# KiCad board ulx4m_panel.kicad_pcb (continued)
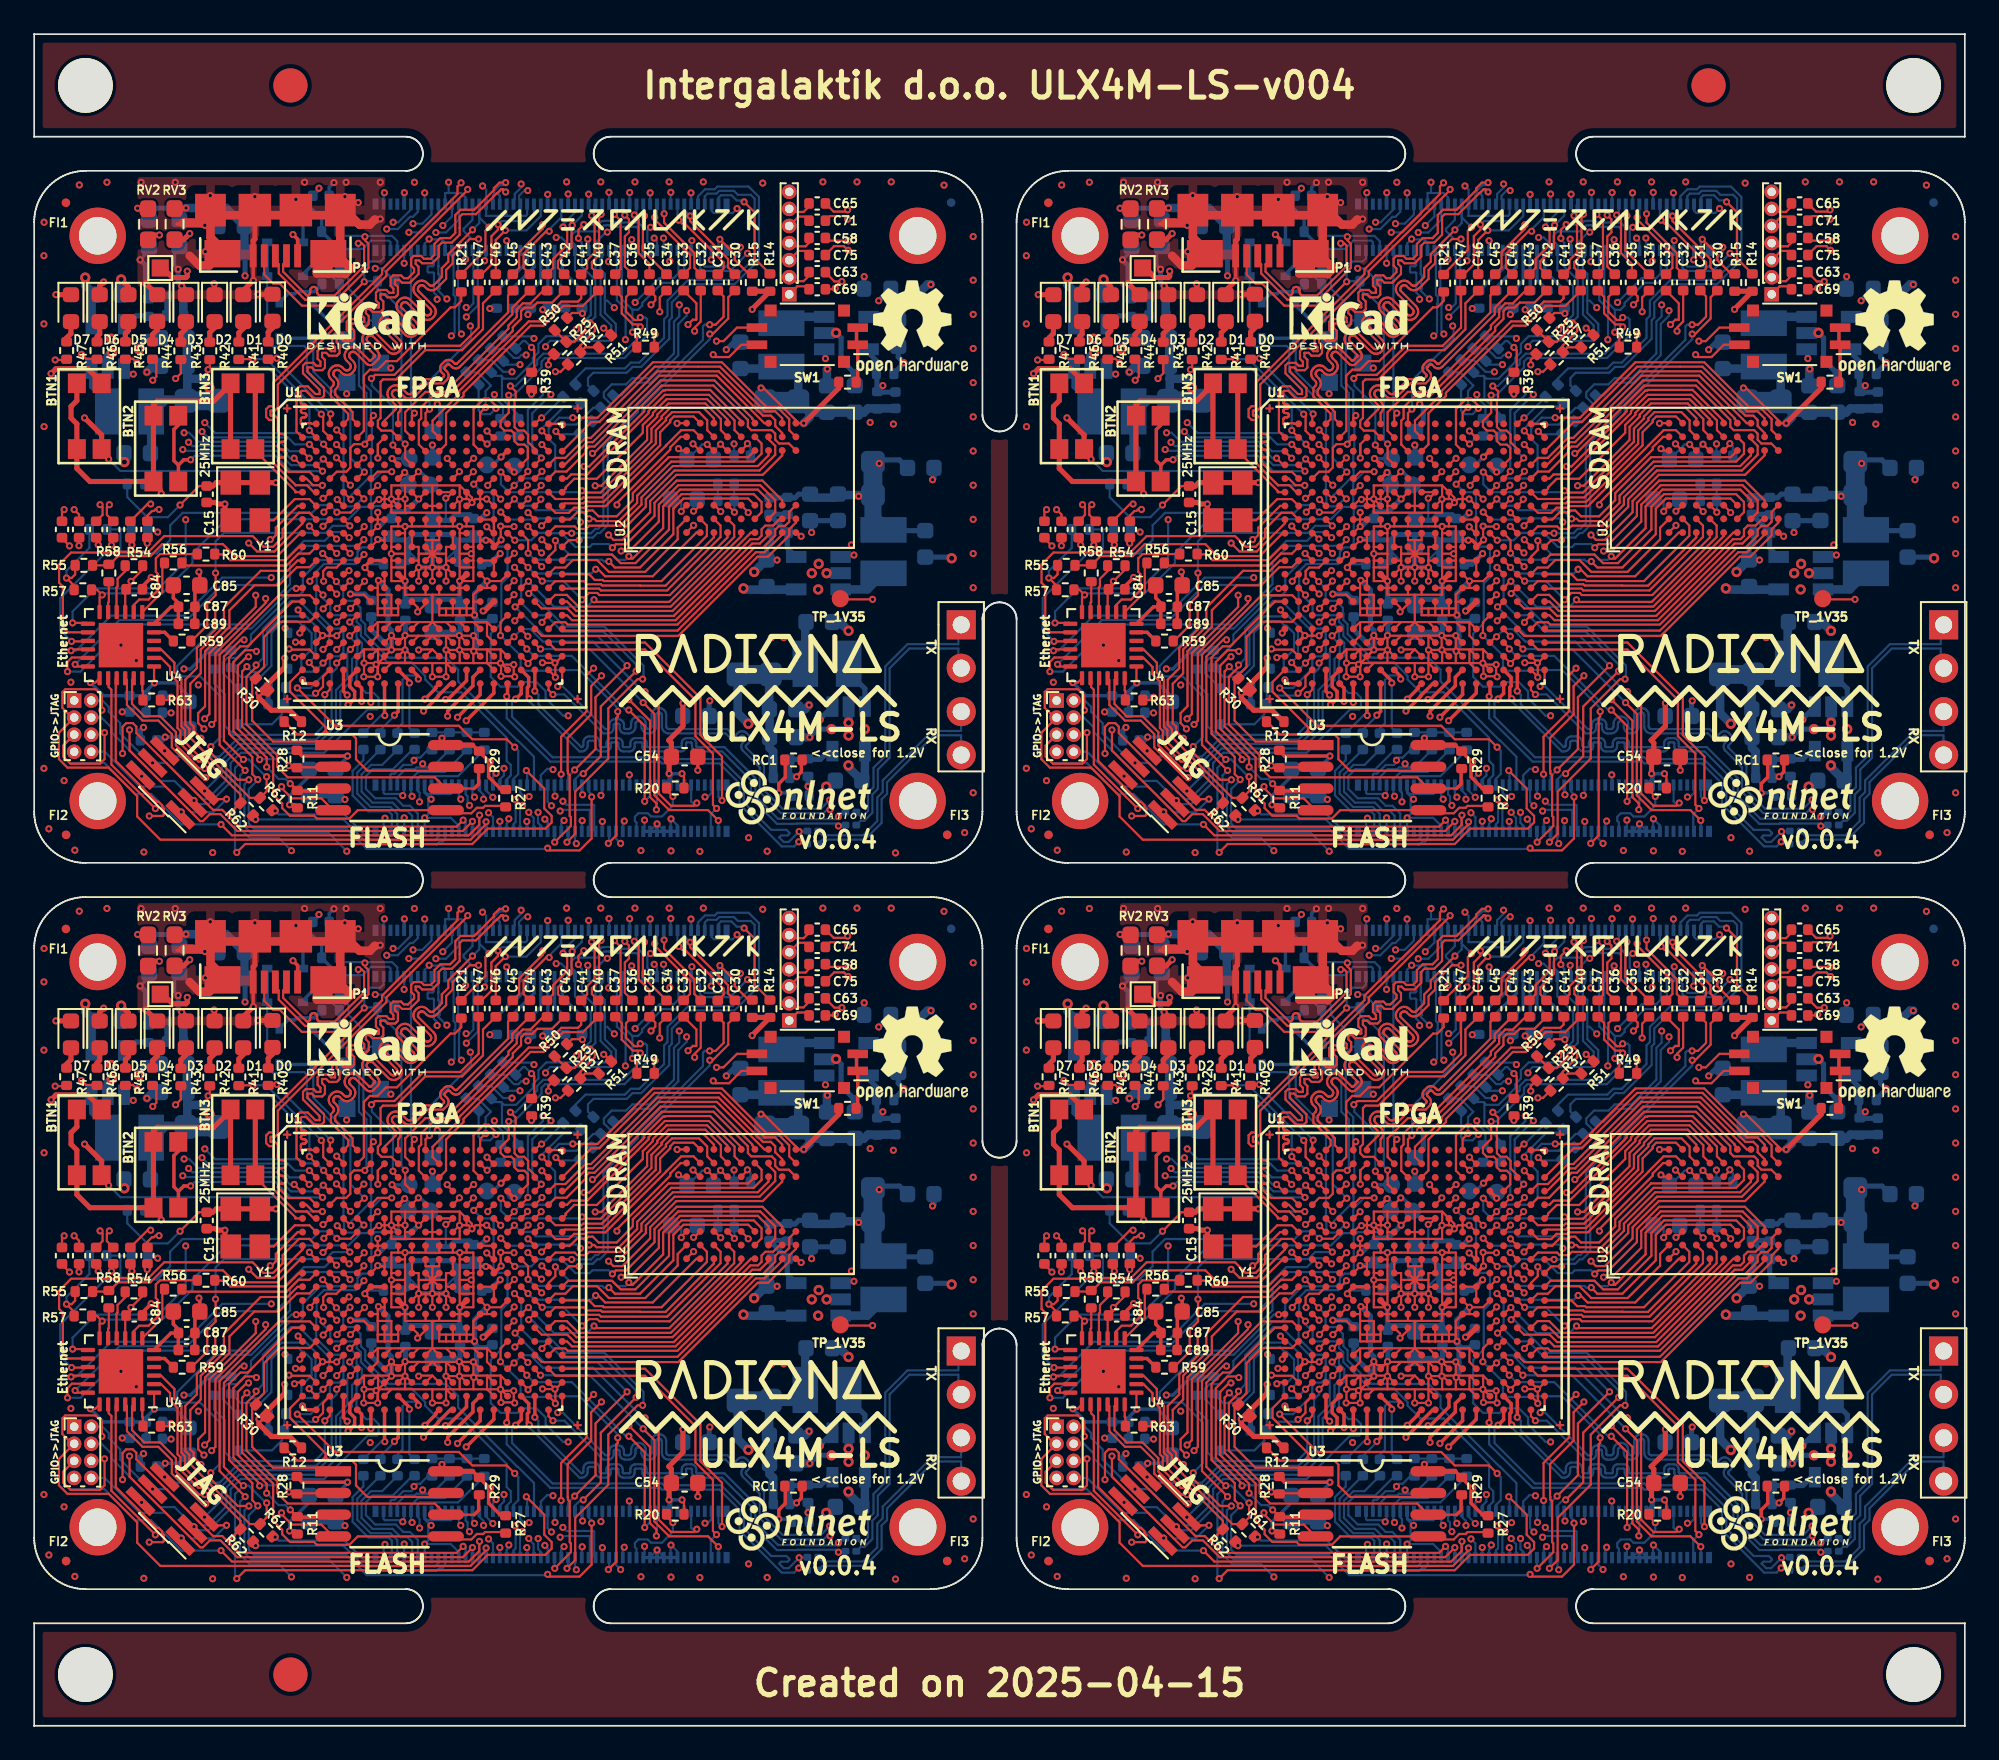
[diagram p0: board, top side]
## Routing (per net, layer and track width the routed paths; a pad name or vN(x,y) marks a point on that pad's centre or on a via; arc(x,y) is an arc through that point) (continued)
  Bottom w0.127: v1(78.53,88) 78.82,88 79.57,88.74 J2#3.10
Board_1-PCIe_nRST: length 10.3
  Top w0.127: U1#4.A9 79.62,76.68 v1(79.77,76.82)
  Bottom w0.127: J2#3.9 79.57,77.02 v1(79.77,76.82)
Board_1-PCIe_RX_N: length 35.2
  Top w0.127: C67.2 61.51,70.87 61.51,71.32 v1(61.37,71.47)
  In2signal.Cu w0.127: v1(61.37,71.47) 61.51,71.61 61.51,71.9 61.89,72.27 62.45,72.27 62.73,72 62.73,71.49 62.86,71.36 62.98,71.49 62.98,72.62 63.25,72.88 63.48,72.88 63.74,72.62 63.74,72.39 63.86,72.27 64.18,72.27 64.75,72.84 65.19,72.84 65.29,72.94 65.49,72.94 65.59,72.84 65.79,72.84 65.89,72.94 66.09,72.94 66.19,72.84 67.84,72.84 67.84,73.01 67.67,73.17 67.67,73.54 67.84,73.71 68.21,73.71 68.38,73.54 68.54,73.54 68.55,73.56 68.55,73.72 68.39,73.88 68.39,74.26 68.55,74.42 68.92,74.42 69.09,74.26 69.25,74.26 71.55,76.56 79.93,84.94 79.93,87.26 79.79,87.41 v1(79.44,87.41)
  Bottom w0.127: v1(79.44,87.41) 80.12,87.41 81.17,88.45 J2#3.18
Board_1-PCIe_RX_P: length 35.5
  Top w0.127: C61#2.1 61.77,70.87 61.77,71.32 v1(61.91,71.47)
  In2signal.Cu w0.127: v1(79.69,87.91) 80.19,87.41 80.19,85.34 80.31,85.21 80.62,85.21 80.75,85.09 80.62,84.96 80.31,84.96 69.44,74.09 69.36,74 68.98,74 68.82,74.17 68.66,74.17 68.64,74.15 68.64,73.99 68.8,73.82 68.8,73.45 68.64,73.29 68.27,73.29 68.11,73.45 67.94,73.45 67.93,73.44 67.93,73.27 68.09,73.11 68.09,72.74 67.94,72.59 65.63,72.59 65.43,72.39 65.33,72.39 65.13,72.59 64.85,72.59 64.28,72.02 63.75,72.02 63.49,72.28 63.49,72.51 63.38,72.63 63.35,72.63 63.24,72.51 63.24,71.38 62.96,71.11 62.75,71.11 62.47,71.38 62.47,71.89 62.35,72.02 61.99,72.02 61.77,71.79 61.77,71.61 v1(61.91,71.47)
  Bottom w0.127: J2#3.16 80.77,88.45 80.23,87.91 v1(79.69,87.91)
Board_1-PCIe_TX_N: length 34.9
  Top w0.127: v1(64.33,71.51) 64.15,71.51 C72.2
  In2signal.Cu w0.127: v1(64.33,71.51) 64.55,71.51 64.63,71.59 65.21,71.59 65.75,72.12 68.33,72.12 69.49,73.29 69.56,73.34 69.64,73.38 69.72,73.4 69.8,73.4 69.89,73.38 69.96,73.34 70.03,73.29 70.48,72.84 70.5,72.82 70.53,72.81 70.56,72.8 70.6,72.8 70.63,72.81 70.66,72.82 70.68,72.84 70.7,72.87 70.72,72.9 70.72,72.93 70.72,72.96 70.72,72.99 70.7,73.02 70.68,73.05 70.24,73.49 70.18,73.56 70.15,73.64 70.13,73.72 70.13,73.8 70.15,73.89 70.18,73.96 70.24,74.03 70.27,74.06 70.34,74.12 70.41,74.15 70.5,74.17 70.58,74.17 70.67,74.15 70.74,74.12 70.81,74.06 71.25,73.62 71.28,73.6 71.31,73.58 71.34,73.58 71.37,73.58 71.41,73.58 71.43,73.6 71.46,73.62 71.48,73.64 71.49,73.67 71.5,73.71 71.5,73.74 71.49,73.77 71.48,73.8 71.46,73.83 71.02,74.27 70.96,74.34 70.93,74.41 70.91,74.5 70.91,74.58 70.93,74.67 70.96,74.74 71.02,74.81 71.05,74.84 71.12,74.9 71.19,74.93 71.28,74.95 71.36,74.95 71.44,74.93 71.52,74.9 71.59,74.84 71.89,74.54 71.92,74.52 71.95,74.5 71.98,74.5 72.01,74.5 72.04,74.5 72.07,74.52 72.1,74.54 72.12,74.56 72.13,74.59 72.14,74.63 72.14,74.66 72.13,74.69 72.12,74.72 72.1,74.74 71.79,75.05 71.74,75.11 71.7,75.19 71.68,75.27 71.68,75.36 71.7,75.44 71.74,75.52 71.79,75.59 71.82,75.61 71.86,75.65 71.92,75.67 71.97,75.69 72.03,75.69 72.08,75.67 72.13,75.65 72.18,75.61 72.28,75.51 72.29,75.51 72.29,75.51 72.49,75.71 72.49,75.71 72.49,75.72 72.38,75.82 72.35,75.86 72.32,75.92 72.31,75.97 72.31,76.03 72.32,76.08 72.35,76.13 72.38,76.18 72.59,76.38 76.39,80.19 76.78,80.19 81.17,84.58 81.17,87.25 v1(81.02,87.39)
  Bottom w0.127: 82.37,88.91 82.37,88.15 81.62,87.39 v1(81.02,87.39)
Board_1-PCIe_TX_P: length 34.6
  Top w0.127: C55#4.1 64.14,70.83 64.41,71.1 64.52,71.1 64.61,71.19 v1(64.82,71.19)
  In2signal.Cu w0.127: v1(64.82,71.19) 64.91,71.28 65.27,71.28 65.86,71.87 66.27,71.87 66.44,71.69 66.57,71.69 66.74,71.87 68.44,71.87 69.66,73.09 69.68,73.11 69.71,73.12 69.75,73.13 69.78,73.13 69.81,73.12 69.84,73.11 69.87,73.09 70.31,72.64 70.38,72.59 70.45,72.55 70.54,72.53 70.62,72.53 70.71,72.55 70.78,72.59 70.85,72.64 70.88,72.68 70.93,72.74 70.97,72.82 70.99,72.9 70.99,72.99 70.97,73.07 70.93,73.15 70.88,73.21 70.44,73.66 70.42,73.68 70.4,73.71 70.4,73.75 70.4,73.78 70.4,73.81 70.42,73.84 70.44,73.86 70.46,73.89 70.49,73.9 70.52,73.91 70.56,73.91 70.59,73.9 70.62,73.89 70.64,73.86 71.09,73.42 71.15,73.37 71.23,73.33 71.31,73.31 71.4,73.31 71.48,73.33 71.56,73.37 71.63,73.42 71.66,73.45 71.71,73.52 71.75,73.6 71.77,73.68 71.77,73.77 71.75,73.85 71.71,73.93 71.66,73.99 71.21,74.44 71.19,74.46 71.18,74.49 71.17,74.52 71.17,74.56 71.18,74.59 71.19,74.62 71.21,74.64 71.24,74.66 71.27,74.68 71.3,74.68 71.33,74.68 71.37,74.68 71.4,74.66 71.42,74.64 71.72,74.34 71.79,74.29 71.87,74.25 71.95,74.23 72.04,74.23 72.12,74.25 72.2,74.29 72.26,74.34 72.3,74.37 72.35,74.44 72.39,74.52 72.41,74.6 72.41,74.68 72.39,74.77 72.35,74.84 72.3,74.91 71.99,75.21 71.97,75.24 71.96,75.27 71.95,75.3 71.95,75.33 71.96,75.37 71.97,75.39 71.99,75.42 72,75.42 72.01,75.42 72.11,75.32 72.15,75.28 72.2,75.26 72.26,75.25 72.31,75.25 72.37,75.26 72.42,75.28 72.46,75.32 72.68,75.53 72.71,75.58 72.74,75.63 72.75,75.68 72.75,75.74 72.74,75.79 72.71,75.85 72.68,75.89 72.58,75.99 72.57,76 72.58,76 76.5,79.93 76.89,79.93 77.39,80.42 77.39,80.43 81.43,84.48 81.43,86.02 81.58,86.17 81.78,86.17 81.93,86.32 81.78,86.47 81.58,86.47 81.43,86.62 v1(81.43,87.8)
  Bottom w0.127: J2#3.22 81.97,88.34 v1(81.43,87.8)
Board_1-PWRBTn: length 20.8
  Top w0.2: v1(79.2,73.36) 78.84,73 U1#4.E8
  Bottom w0.127: 73.24,66.35 73.24,66.37 ; 73.24,66.37 73.01,66.14 72.48,66.14 70.2,63.86 70.2,63.32 69.38,62.5 68.81,62.5 68.56,62.24 68.56,61.61 D28#2.1 ; 73.24,66.37 73.24,67.22 74.25,68.23 76.21,68.23 76.44,68.46 76.44,68.71 76.45,68.71 76.71,68.97 77.06,68.97 77.25,69.15 77.25,71.17 77.47,71.39 78.57,71.39 78.84,71.66 78.84,72.08 TP_E8.1
  Bottom w0.2: v1(79.2,73.36) 79.41,73.15 TP_E8.1
Board_1-RGMII_REF_CLK: length 22.6
  Top w0.127: U1#4.H2 73.62,71 73.01,71 72.06,70.04 72.06,69.56 71.5,69.01 70.92,69.01 70.3,69.63 65.12,69.63 64.2,68.71 62.31,68.71 62.27,68.67 59.67,68.67 58.97,67.97 58.97,66.9 59.16,66.71 59.19,66.71 59.19,64.3 59.49,64 U4#2.14
Board_1-RGMII_RX_DV: length 13.6
  Top w0.127: R55.2 61.82,67.92 R58#4.1 61.94,67.98 62.42,68.46 64.31,68.46 65.01,69.16 65.98,69.16 65.98,69.16 68.56,69.16 69.26,68.46 71.74,68.46 73.08,69.8 U1#4.J1
Board_1-RGMII_RXD0: length 5.6
  Top w0.127: R60#3.2 68.1,68.56 68.65,68.56 68.99,68.22 72.23,68.22 73.01,69 U1#4.K1
Board_1-RGMII_RXD1: length 8.4
  Top w0.127: R56#3.2 66.31,67.91 72.28,67.91 72.98,68.61 73.63,68.61 U1#4.K2
Board_1-RGMII_TX_CLK: length 15.2
  Top w0.127: v1(75.99,70.23) U1#4.H4 ; R59#3.2 66.72,63.49 67.64,64.41 67.64,65.67 68.13,66.16 68.13,67.47 v1(68.13,67.47)
  Bottom w0.127: v1(75.99,70.23) 74.99,70.23 74.58,69.82 68.62,69.82 68.13,69.32 v1(68.13,67.47)
Board_1-RGMII_TX_EN: length 19.8
  Top w0.127: v1(75.22,68.62) 75.2,68.62 U1#4.K3 ; U4#2.16 59.75,63 v1(59.67,62.92)
  In2signal.Cu w0.127: v1(75.22,68.62) 74.93,68.62 74.56,68.99 73.18,68.99 v1(71.39,67.2)
  Bottom w0.127: v1(59.67,62.92) 59.97,62.92 62.02,64.98 66.3,64.98 68.52,67.2 v1(71.39,67.2)
Board_1-RGMII_TXD0: length 23.8
  Top w0.127: v1(76.81,69.42) 76.81,69.39 U1#4.K5 ; U4#2.17 60.63,62.52 59.72,62.52 59.46,62.27 v1(59.46,61.7)
  Bottom w0.127: v1(76.81,69.42) 76.44,69.06 73.44,69.06 72.49,68.11 72.49,66.82 70.13,64.46 62.98,64.46 60.22,61.7 v1(59.46,61.7)
Board_1-RGMII_TXD1: length 21.2
  Top w0.127: U4#2.18 60.04,62 v1(59.91,62.12) ; U1#4.J4 75.88,69.54 v1(75.95,69.54)
  Bottom w0.127: v1(75.95,69.54) 75.62,69.87 75.03,69.87 74.51,69.35 73.3,69.35 72.18,68.23 72.18,67.3 71.65,66.77 68.5,66.77 66.45,64.72 62.5,64.72 v1(59.91,62.12)
Board_1-RUN_PG: length 20.1
  Top w0.127: v1(85.61,63.74) 85.56,63.74 U1#4.U16 ; v1(96.3,54.01) 96.14,53.85 94.79,53.85 94.07,54.57 94.07,59.72 v1(93.27,60.52)
  Bottom w0.127: v1(85.61,63.74) 86.05,64.19 86.56,64.19 87.29,63.46 90.22,63.46 93.15,60.52 v1(93.27,60.52) ; J1#4.92 95.97,54.09 96.07,53.99 96.29,53.99 v1(96.3,54.01)
Board_1-SCL0: length 14.8
  Top w0.127: v1(92.32,59.45) 93.25,58.52 v1(93.25,54.1) ; v1(86.35,63.02) 86.35,63.06 U1#4.U17
  Bottom w0.127: v1(93.25,54.1) 93.57,54.42 J1#4.80 ; v1(92.32,59.45) 92.15,59.45 88.98,62.62 86.76,62.62 v1(86.35,63.02)
Board_1-SD_CLK: length 45.5
  Top w0.127: v1(68.11,65.44) 68.11,64.16 67.03,63.08 67.03,61.9 66.36,61.22 66.36,58.58 66.6,58.34 66.6,57.87 67.55,56.92 67.88,56.92 69.43,55.37 v1(70.08,55.37) ; U1#4.G1 72.94,71.4 71.66,70.12 71.66,69.68 71.38,69.41 71.35,69.41 v1(71.33,69.43)
  In2signal.Cu w0.127: v1(75.81,51.19) 75.91,51.29 86.9,51.29 87.71,52.1 88.95,52.1 89.25,51.8 v1(89.25,51.63) ; v1(68.11,65.44) 68.11,66.17 71.33,69.39 v1(71.33,69.43)
  Bottom w0.127: v1(70.08,55.37) 69.82,55.1 69.82,53.34 69.82,52.63 70.2,52.25 74.75,52.25 v1(75.81,51.19) ; J1#4.57 89.17,51.71 v1(89.25,51.63)
Board_1-SD_CMD: length 40.5
  Top w0.127: v1(70.6,55.38) 70.28,55.7 70.28,56.71 68.92,58.06 68.92,62.52 69.58,63.18 70.01,63.18 72.63,65.8 U1#4.P1 ; v1(90.14,54.36) 90.14,51.94 89.44,51.23 87.7,51.23 v1(87.57,51.37)
  Bottom w0.127: v1(90.14,54.36) 90.14,54.51 89.97,54.68 J1#4.62 ; v1(70.6,55.38) 70.6,55.35 70.07,54.82 70.07,52.8 70.38,52.5 75.8,52.5 76.98,51.32 87.52,51.32 v1(87.57,51.37)
Board_1-SD_D0: length 28.7
  Top w0.127: v1(84.02,75.78) 84.4,75.4 U1#4.B15
  In2signal.Cu w0.127: v1(88.46,54.11) 88.46,54.65 88.08,55.02 87.86,55.02 87.48,55.4 87.48,59.53 87.48,59.54 87.48,60.84 86.56,61.76 86.18,61.76 85.99,61.95 85.99,62.33 85.21,63.11 85.21,64.01 84.71,64.51 84.71,65.62 83.55,66.77 83.55,71.9 83.64,71.99 83.64,72.81 83.9,73.07 83.91,73.07 83.91,74.47 83.46,74.92 83.46,75.22 v1(84.02,75.78)
  Bottom w0.127: J1#4.63 90.29,52.42 90.29,53.86 90.25,53.9 88.67,53.9 v1(88.46,54.11)
Board_1-SD_D1: length 19.4
  Top w0.127: U1#4.R16 84.81,64.59 84.81,63.81 v1(84.81,63.81) ; v1(91.12,51.65) 91.58,52.11 91.58,58.97 91.67,59.06 v1(91.67,59.36)
  Bottom w0.127: v1(84.81,63.81) 85.98,62.63 85.98,61.8 86.04,61.75 87.64,61.75 87.68,61.79 89.44,61.79 91.67,59.55 v1(91.67,59.36) ; J1#4.67 91.17,51.69 v1(91.12,51.65)
Board_1-SD_D2: length 29
  Top w0.127: v1(83.24,72.67) 83.57,73 U1#4.E14
  In2signal.Cu w0.127: v1(91.84,51.65) 91.63,51.85 91.63,56.25 v1(88.77,59.12)
  Bottom w0.127: v1(83.24,72.67) 83.71,72.2 84.2,72.2 84.41,71.99 84.41,69.26 84.65,69.01 85.04,69.01 85.22,68.83 85.22,67.21 84.86,66.85 84.86,64.53 84.24,63.91 84.24,61.39 84.81,60.82 85.8,60.82 86.07,61.08 86.92,61.08 87.45,60.55 87.45,60.14 88.47,59.12 v1(88.77,59.12) ; v1(91.84,51.65) 91.57,51.92 J1#4.69
Board_1-SD_D3: length 41.7
  Top w0.127: U1#4.P2 73.65,66.17 71.85,66.17 68.36,62.68 68.36,57.41 v1(69.86,55.92)
  In2signal.Cu w0.127: v1(72.57,51.22) 72.93,51.58 86.8,51.58 88.13,52.9 88.13,53.18 88.3,53.35 v1(88.3,53.54)
  Bottom w0.127: v1(72.57,51.22) 71.83,51.96 70.13,51.96 69.56,52.52 69.56,55.62 v1(69.86,55.92) ; v1(88.3,53.54) 88.37,53.6 90.04,53.6 90.04,53.6 90.04,52.42 J1#4.61
Board_1-SD_PWR_ON: length 29.5
  Top w0.127: v1(94.9,54.39) 94.53,54.76 R20#4.1 ; U1#4.E15 84.06,72.64 v1(84.06,72.6)
  In2signal.Cu w0.127: v1(94.9,54.39) 94.6,54.39 93.56,55.43 93.56,56.56 88.34,61.78 87.02,61.78 86.86,61.94 86.86,62.31 86.6,62.57 86.23,62.57 85.95,62.85 85.95,63.21 86.01,63.27 86.01,63.96 85.76,64.21 85.48,64.21 84.99,64.7 84.99,65.76 84.65,66.1 84.65,67.1 84.18,67.57 84.18,68.61 84.41,68.83 84.41,72.25 v1(84.06,72.6)
  Bottom w0.127: J1#4.75 92.77,52.86 92.67,52.96 92.67,53.2 92.88,53.41 93.43,53.41 93.62,53.22 94.26,53.22 94.9,53.85 v1(94.9,54.39)
Board_1-SDA0: length 16.6
  Top w0.127: v1(86.41,63.76) 86.02,64.15 U1#4.T17 86.02,64.17 ; v1(92.32,60.07) 93.56,58.82 93.56,54.36 93.93,53.98 v1(93.93,53.62)
  In2signal.Cu w0.127: v1(92.32,60.07) 90.72,60.07 87.32,63.46 86.71,63.46 v1(86.41,63.76)
  Bottom w0.127: J1#4.82 93.97,53.65 v1(93.93,53.62)
Board_1-SDRAM_A0: length 20.6
  Top w0.127: 85.22,70.64 U1#4.H16 85.22,70.64 ; 85.22,70.64 v1(84.82,71.03) ; v1(91.14,69.69) 91.42,69.41 91.95,69.41 93.57,71.03 93.57,71.68 95.1,73.21 100.16,73.21 101.3,74.35 U2#3.H7
  In2signal.Cu w0.127: v1(89.49,70.45) 90.24,69.69 v1(91.14,69.69)
  Bottom w0.127: v1(89.49,70.45) 89.27,70.66 87.06,70.66 87,70.6 85.26,70.6 v1(84.82,71.03)
Board_1-SDRAM_A1: length 17.9
  Top w0.127: U1#4.D19 88.03,74.21 88.61,74.21 89.78,75.38 90.1,75.38 94,79.27 97.58,79.27 100.17,76.68 100.64,76.68 100.89,76.42 100.89,76.07 101.3,75.66 U2#3.H8
Board_1-SDRAM_A2: length 24.3
  Top w0.127: v1(89.04,76.56) 90.49,76.56 93.73,79.8 97.77,79.8 100.38,77.19 101,77.19 101.71,76.48 101.71,75.83 U2#3.J8 ; U1#4.F16 85.61,72.59 v1(85.61,72.6)
  Bottom w0.127: v1(89.04,76.56) 88.24,76.56 87.66,75.98 87.66,75.95 87.63,75.92 87.63,75.32 88.01,74.94 88.01,73.4 87.61,73 86.85,73 86.84,73.01 86.02,73.01 v1(85.61,72.6)
Board_1-SDRAM_A3: length 19.6
  Top w0.127: U1#4.E18 87.24,73.41 v1(87.24,73.42) ; U2#3.J7 101.69,75.05 101.11,75.05 100.89,75.27 100.89,75.62 100.69,75.83 99.49,75.83 99.29,76.03 99.29,76.42 97.28,78.44 94.24,78.44 90.27,74.47 v1(90.19,74.47)
  In2signal.Cu w0.127: v1(90.19,74.47) 88.29,74.47 v1(87.24,73.42)
Board_1-SDRAM_A4: length 18.1
  Top w0.127: U1#4.T19 88.01,64.59 88.61,64.59 88.74,64.45 95.16,64.45 99.65,68.94 100.16,68.94 100.89,69.66 100.89,70 101.11,70.23 101.47,70.23 101.71,70.47 101.71,71.05 U2#3.J3
Board_1-SDRAM_A5: length 18.6
  Top w0.127: U2#3.J2 102.1,70.41 101.71,70.02 101.71,69.67 100.47,68.43 99.86,68.43 95.22,63.79 87.23,63.79 U1#4.T18
Board_1-SDRAM_A6: length 19.8
  Top w0.127: v1(91.36,68.95) 91.56,69.15 92.17,69.15 93.82,70.81 93.82,71.57 95.13,72.88 100.14,72.88 101.3,71.72 U2#3.H3 ; U1#4.J16 85.63,69.39 v1(85.65,69.39)
  Bottom w0.127: v1(85.65,69.39) 86.61,69.39 87.04,69.82 87.42,69.82 87.45,69.79 88.39,69.79 89.19,68.99 90.02,68.99 90.19,69.16 91.14,69.16 v1(91.36,68.95)
Board_1-SDRAM_A7: length 17.4
  Top w0.127: U2#3.H2 101.16,70.64 100.77,70.25 100.31,70.25 100.09,70.02 100.09,69.65 99.89,69.45 99.44,69.45 94.95,64.96 89.15,64.96 88.72,65.39 87.22,65.39 U1#4.P18
Board_1-SDRAM_A8: length 15.4
  Top w0.127: U2#3.H1 101.3,69.72 100.27,68.68 99.76,68.68 95.17,64.1 88.52,64.1 U1#4.T20
Board_1-SDRAM_A9: length 17.4
  Top w0.127: U2#3.G3 100.5,71.72 99.87,72.35 95.31,72.35 94.33,71.36 94.33,70.1 92.55,68.32 92.45,68.32 v1(92.32,68.44) ; U1#4.L19 87.62,68.42 88.02,68.82 v1(88.02,69.37)
  Bottom w0.127: v1(88.02,69.37) 88.84,68.55 91.32,68.55 91.63,68.23 92.11,68.23 v1(92.32,68.44)
Board_1-SDRAM_A10: length 16.5
  Top w0.127: U1#4.C20 90.13,76.3 90.6,76.3 93.84,79.54 97.66,79.54 100.27,76.93 100.89,76.93 101.3,76.52 U2#3.H9
Board_1-SDRAM_A11: length 18.5
  Top w0.127: v1(91.87,68.75) 91.99,68.87 92.47,68.87 94.08,70.47 94.08,71.47 95.21,72.61 100.01,72.61 100.89,71.73 100.89,71.03 U2#3.G2 ; v1(87.23,69.42) 87.62,69.03 U1#4.K19
  In2signal.Cu w0.127: v1(91.87,68.75) 91.67,68.55 88.1,68.55 v1(87.23,69.42)
Board_1-SDRAM_A12: length 14.4
  Top w0.127: U1#4.R20 88.7,65 88.99,64.7 95.06,64.7 99.55,69.19 99.99,69.19 100.5,69.7 U2#3.G1
Board_1-SDRAM_BA0: length 15.4
  Top w0.127: U2#3.G7 100.5,74.35 99.87,73.73 94.9,73.73 93.06,71.89 93.06,71.47 91.83,70.24 90.01,70.24 89.82,70.05 89.3,70.05 89.15,70.19 88.02,70.19 U1#4.J19
Board_1-SDRAM_BA1: length 21.4
  Top w0.127: v1(85.62,68.62) 85.22,68.22 U1#4.L16 ; v1(91.66,69.83) 91.8,69.83 93.32,71.34 93.32,71.79 95,73.47 99.97,73.47 100.89,74.39 100.89,74.91 100.5,75.3 U2#3.G8
  In2signal.Cu w0.127: v1(85.62,68.62) 86.81,69.81 86.81,70.42 86.82,70.42 87.04,70.64 88.68,70.64 88.68,70.73 89.36,71.41 90.09,71.41 v1(91.66,69.83)
Board_1-SDRAM_CKE: length 17.7
  Top w0.127: U1#4.J17 86.42,69.39 v1(86.42,68.63) ; v1(91.15,68.15) 91.51,67.79 92.97,67.79 94.93,69.74 94.93,71.23 95.52,71.83 99.31,71.83 U2#3.F3
  Bottom w0.127: v1(91.15,68.15) 90.85,68.15 90.76,68.24 86.81,68.24 v1(86.42,68.63)
Board_1-SDRAM_CLK: length 15.8
  Top w0.127: U1#4.L20 88.77,68.55 91.34,68.55 91.84,68.04 92.71,68.04 94.67,70.01 94.67,71.35 95.41,72.08 99.63,72.08 100.09,71.62 100.09,71.03 U2#3.F2
Board_1-SDRAM_D0: length 12.5
  Top w0.127: U2#3.A8 95.36,75.44 94.75,74.83 94.75,74.7 91.63,71.57 v1(91.63,71.46) ; v1(86.41,70.2) 86.42,70.2 U1#4.J18
  In2signal.Cu w0.127: v1(91.63,71.46) 91.39,71.69 89.28,71.69 88.69,71.1 87.11,71.1 86.41,70.4 v1(86.41,70.2)
Board_1-SDRAM_D1: length 10.9
  Top w0.127: U1#4.G20 88.57,71.54 89.66,71.54 89.75,71.63 90.85,71.63 94.15,74.94 94.15,75.71 94.75,76.3 94.75,76.42 94.95,76.63 96.11,76.63 U2#3.B9
Board_1-SDRAM_D2: length 11.2
  Top w0.127: U1#4.G19 88.03,70.99 88.81,70.99 89.11,71.29 89.76,71.29 89.85,71.38 90.95,71.38 94.51,74.94 94.51,74.95 95.39,75.83 96.11,75.83 U2#3.B8
Board_1-SDRAM_D3: length 17.2
  Top w0.127: U1#4.E16 84.84,73.38 v1(84.83,73.38) ; v1(89.58,72.28) 89.69,72.18 90.67,72.18 93.65,75.15 93.65,75.92 94.24,76.51 94.24,76.63 94.74,77.13 96.68,77.13 97.3,76.52 U2#3.C9
  Bottom w0.127: v1(84.83,73.38) 84.83,72.66 85.29,72.2 86.33,72.2 86.34,72.21 86.61,72.21 86.62,72.2 89.5,72.2 v1(89.58,72.28) 89.58,72.21 89.56,72.19
Board_1-SDRAM_D4: length 13.4
  Top w0.127: U2#3.C8 96.91,75.83 96.91,76.4 96.43,76.88 94.85,76.88 94.49,76.52 94.49,76.41 93.9,75.81 93.9,75.04 90.74,71.89 89.64,71.89 89.55,71.8 88.02,71.8 U1#4.F19
Board_1-SDRAM_D5: length 13
  Top w0.127: U2#3.D9 98.1,76.45 96.91,77.64 94.53,77.64 93.73,76.84 93.73,76.72 93.14,76.13 93.14,75.67 90.45,72.98 89.13,72.98 88.62,72.48 88.62,72.4 U1#4.F20
Board_1-SDRAM_D6: length 16.8
  Top w0.127: U2#3.D8 97.71,75.83 97.71,76.48 96.8,77.39 94.64,77.39 93.98,76.73 93.98,76.62 93.39,76.02 93.39,75.25 90.71,72.58 v1(90.35,72.58) ; U1#4.H18 v1(86.42,71)
  In2signal.Cu w0.127: v1(86.42,71) 86.78,71.36 88.07,71.36 89.5,72.79 90.14,72.79 v1(90.35,72.58)
Board_1-SDRAM_D7: length 15.6
  Top w0.127: U1#4.F18 87.19,72.57 v1(87.19,72.6) ; U2#3.E9 98.9,76.37 97.08,78.18 94.47,78.18 94.44,78.15 94.32,78.15 93.22,77.05 93.22,76.93 92.63,76.34 90,73.71 v1(89.7,73.71)
  In2signal.Cu w0.127: v1(89.7,73.71) 89.6,73.81 88.36,73.81 87.19,72.64 v1(87.19,72.6)
Board_1-SDRAM_D8: length 13.6
  Top w0.127: U1#4.P19 88.01,66.19 88.69,66.19 89.38,65.5 94.77,65.5 98.9,69.63 U2#3.E1
Board_1-SDRAM_D9: length 16.3
  Top w0.127: v1(86.44,66.98) 86.41,66.98 U1#4.N17 ; v1(90.28,65.9) 90.41,65.78 94.69,65.78 98.49,69.57 98.49,70.25 U2#3.D2
  Bottom w0.127: v1(86.44,66.98) 87.94,65.49 89.87,65.49 v1(90.28,65.9)
Board_1-SDRAM_D10: length 13.8
  Top w0.127: 87.21,67 87.25,67 v1(87.25,66.99) 87.22,66.99 U1#4.M18 ; U2#3.D1 98.1,69.55 94.72,66.18 90.6,66.18 90.48,66.3 89.99,66.3 v1(89.59,65.9)
  Bottom w0.127: v1(87.25,66.99) 88.5,66.99 v1(89.59,65.9)
Board_1-SDRAM_D11: length 11.9
  Top w0.127: U2#3.C2 97.69,70.25 97.69,69.58 94.56,66.45 90.69,66.45 90.58,66.55 88.46,66.55 U1#4.N20
Board_1-SDRAM_D12: length 11.4
  Top w0.127: U2#3.C1 97.3,69.55 94.47,66.73 92.99,66.73 92.98,66.74 90.76,66.74 90.69,66.81 89.88,66.81 89.7,66.99 88.01,66.99 U1#4.N19
Board_1-SDRAM_D13: length 10.9
  Top w0.127: U1#4.M20 89.99,67.4 90.32,67.06 90.79,67.06 90.86,67 94.24,67 96.89,69.65 96.89,70.25 U2#3.B2
Board_1-SDRAM_D14: length 10.4
  Top w0.127: U1#4.M19 88.01,67.79 88.61,67.79 89.05,68.23 90.46,68.23 91.15,67.54 93.28,67.54 95.18,69.44 95.18,70.12 U2#3.A2
Board_1-SDRAM_D15: length 12.1
  Top w0.127: v1(90.38,67.69) 90.52,67.69 90.93,67.28 93.72,67.28 96.28,69.84 U2#3.B1 ; U1#4.L17 v1(86.42,67.8)
  Bottom w0.127: v1(90.38,67.69) 90.13,67.44 86.78,67.44 v1(86.42,67.8)
Board_1-SDRAM_DQM0: length 13.9
  Top w0.127: U2#3.E8 98.51,75.83 98.51,76.4 97.01,77.9 94.43,77.9 93.48,76.94 93.48,76.83 89.89,73.24 88.94,73.24 88.7,73 U1#4.E20
Board_1-SDRAM_DQM1: length 13.4
  Top w0.127: U2#3.F1 99.47,69.84 94.88,65.25 89.25,65.25 88.7,65.8 U1#4.P20
Board_1-SDRAM_nCAS: length 13.5
  Top w0.127: U1#4.H20 88.87,70.6 89.29,71.02 89.85,71.02 89.96,71.13 90.21,71.13 90.55,70.79 91.61,70.79 92.55,71.73 92.55,72.14 94.66,74.25 99.31,74.25 U2#3.F7
Board_1-SDRAM_nCS: length 15.4
  Top w0.127: U2#3.G9 100.25,76.24 97.47,79.02 94.1,79.02 90.21,75.12 89.89,75.12 88.56,73.8 U1#4.D20
Board_1-SDRAM_nRAS: length 18.6
  Top w0.127: U2#3.F8 100.09,75.05 100.09,74.45 99.63,73.99 94.8,73.99 92.81,72 92.81,71.57 91.74,70.51 90.43,70.51 90.3,70.64 v1(90,70.64) ; U1#4.G16 v1(85.62,71.8)
  Bottom w0.127: v1(90,70.64) 89.5,71.14 86.88,71.14 86.61,71.41 86.01,71.41 v1(85.62,71.8)
Board_1-SDRAM_nWE: length 15.7
  Top w0.127: U2#3.F9 99.7,76.33 99.54,76.48 99.54,76.53 97.33,78.74 94.18,78.74 90.31,74.87 89.99,74.87 89.79,74.67 89.79,74.53 88.67,73.41 88.03,73.41 U1#4.E19
Board_1-SRCLK1N: length 1.4
  Top w0.127: J5.1 102.18,84.25 102.7,84.25 C69#3.2
Board_1-SRCLK1P: length 1.6
  Top w0.127: C63#3.1 102.87,84.87 102.55,84.55 101.94,84.55 J5.2
Board_1-SRX11N: length 1.5
  Top w0.127: C71.2 102.63,88.33 102.26,88.33 J5.5
Board_1-SRX11P: length 1.5
  Top w0.127: J5.6 101.89,88.6 102.55,88.6 102.87,88.92 C65#3.1
Board_1-STX11N: length 1.5
  Top w0.127: J5.3 102.25,86.32 102.63,86.32 C75.2
Board_1-STX11P: length 1.6
  Top w0.127: J5.4 101.9,86.59 102.66,86.59 102.87,86.8 C58#2.1
Board_1-SW1: length 24.2
  Top w0.127: SW1#3.4 98.91,80.83 98.19,80.11 97.4,80.11 v1(97.26,80.25) ; U1#4.L18 86.86,68.2 v1(87.22,67.84)
  In2signal.Cu w0.127: v1(87.22,67.84) 89.24,67.84 89.88,67.2 92.58,67.2 93.33,67.95 93.33,76.54 97.04,80.25 v1(97.26,80.25)
Board_1-SW2: length 24.4
  Top w0.127: SW1#3.3 98.65,81.83 97.86,81.04 v1(97.45,81.04) ; U1#4.K18 87.17,68.64 v1(87.21,68.64)
  In2signal.Cu w0.127: v1(97.45,81.04) 93.08,76.66 93.08,68.11 92.61,67.65 91,67.65 90.53,68.12 87.74,68.12 v1(87.21,68.64)
Board_1-US2_ID: length 23.1
  Top w0.127: v1(79.23,75.02) 79.23,74.19 U1#4.D9 ; v1(76.83,84.51) 75.43,83.11 73.18,83.11 71.89,84.41 71.5,84.41 70.98,84.93 70.98,85.73
  Bottom w0.127: v1(79.23,75.02) 79.01,75.24 79.01,82.88 78.09,83.8 77.89,83.8 77.61,84.08 R19#4.1 76.87,84.55 v1(76.83,84.51) 76.83,85.35 77.18,85.7 77.78,85.7 77.97,85.89 J2#3.1
Board_1-USB_FPGA_D+: length 23.1
  Top w0.127: v1(77.37,76.69) 77.22,76.54 U1#4.A6 ; v1(76.05,71.78) 76.03,71.78 U1#4.F4
  Bottom w0.127: 74.87,86.55 74.87,86.16 75.38,85.65 R5#3.2 75.38,85.21 75.91,84.68 75.91,84.12 D8#4.1 77.15,82.25 76.78,81.87 76.78,78.57 77.22,78.13 77.22,76.83 v1(77.37,76.69) 77.28,76.6 77.28,74.46 77.22,74.4 77.22,73.52 77.24,73.5 77.24,73.19 76.05,72 v1(76.05,71.78)
  Bottom w0.2: 74.87,86.55 74.87,86.92 R2#4.2 74.34,88.19 73.64,88.88 72.89,88.88 R4#3.2
Board_1-USB_FPGA_D-: length 16.7
  Top w0.127: U1#4.E3 75.22,73.4 75.78,73.4 76.02,73.64 76.02,74.79 76.23,75.01 v1(76.87,75.01) 76.87,75.04 U1#4.B6
  Bottom w0.127: v1(76.87,75.01) 76.96,75.1 76.96,78 76.52,78.44 76.52,80.43 D9.1 75.87,81.18 75.87,82.89 R6#2.2 ; R7.2 74.82,84.94 74.82,85.85 74.35,86.32 R1#3.2
  Bottom w0.2: R7.2 75.36,84.37 R6#2.2
Board_1-USB_FPGA_PULL_D+: length 20.3
  Top w0.127: v1(76.81,71.81) 76.81,71.81 U1#4.F5
  Bottom w0.127: v1(76.81,71.81) 76.71,71.81 76.27,71.37 75.66,71.37 75.65,71.38 75.65,71.98 75.62,72.01 75.62,77.11 73.47,79.26 73.47,80.61 73.32,80.76 72.28,80.76 72.24,80.72 71.48,80.72 71.15,81.05 D11#3.1
  Bottom w0.2: D11#3.1 D10#3.2
Board_1-USB_FPGA_PULL_D-: length 11.6
  Top w0.127: v1(76.84,73.38) 76.8,73.38 U1#4.E5
  Bottom w0.127: D12#4.2 73.85,81.18 73.85,79.26 76.02,77.09 76.02,74.2 v1(76.84,73.38)
  Bottom w0.2: D13#3.1 73.82,81.21 D12#4.2
Board_1-USB_N: length 13.2
  Top w0.127: v1(76.48,86.76) 76.69,86.76 76.82,86.63 76.82,85.43 75.11,83.71 74.27,83.71 74.23,83.72 74.19,83.73 74.15,83.76 74.12,83.79 74.09,83.83 74.08,83.87 74.07,83.91 74.07,84.01 74.07,84.06 74.05,84.1 74.03,84.14 74,84.17 73.96,84.19 73.92,84.21 73.87,84.21 73.83,84.21 73.79,84.19 73.75,84.17 73.72,84.14 73.69,84.1 73.68,84.06 73.67,84.01 73.67,83.91 73.67,83.87 73.65,83.83 73.63,83.79 73.6,83.76 73.56,83.73 73.52,83.72 73.47,83.71 72.08,85.1 72.08,85.53 72.28,85.73
  Bottom w0.127: 76.44,86.44 76.48,86.48 v1(76.48,86.76) ; 76.44,86.44 76.75,86.44 77.23,86.92 78.28,86.92 78.37,86.83 78.37,86.2 ; 76.44,86.44 R1#3.1
Board_1-USB_P: length 13.7
  Top w0.127: 71.63,85.73 71.83,85.53 71.83,85 73.37,83.46 75.21,83.46 77.08,85.32 77.08,86.73 76.87,86.94 v1(76.87,87.15)
  Bottom w0.127: 78.77,86.2 78.77,86.89 78.46,87.2 75.61,87.2 R2#4.1
Board_1-USER_PROGRAMN: length 6.9
  Top w0.127: U1#4.M4 75.73,67.4 v3(75.94,67.61)
  In2signal.Cu w0.127: v3(75.94,67.61) 75.11,67.61 74.84,67.34 74.84,67.1 74.83,67.09 74.83,66.93 74.82,66.92 74.82,65.97 74.63,65.78 72.78,65.78 72.54,65.54 72.54,64.58 v3(72.2,64.24)
Board_2-2V5_3V3: length 43.2
  Top w0.127: U1#3.H6 20.11,28.1 ; 20.11,28.1 U1#3.H7 ; 20.11,28.1 20.11,27.69 v1(20.12,27.69) 20.1,27.69 U1#3.J6 ; 20.11,28.1 20.11,28.51 v1(20.11,28.52) ; U1#3.F10 v1(22.51,29.3) U1#3.F9
  Top w0.2: v1(6.06,46.32) 6.59,46.32 6.64,46.27
  Top w0.3: v1(8.89,46.33) 8.86,46.3 RV3#3.1 ; RV2#3.2 6.08,46.29 v1(6.06,46.32)
  POWER.Cu w0.2: v1(20.11,28.52) 19.74,28.89 19.74,29.54 19.61,29.67 19.61,29.88
  POWER.Cu w0.3: 19.61,29.88 18.78,30.7 18.78,40.08 17.52,41.35 17.52,42.08 18.86,43.41 18.08,43.41 17.24,42.58 12.56,42.58 v1(12.34,42.36)
  Bottom w0.2: v1(6.06,46.32) 6.06,46.28 C49#3.1
  Bottom w0.3: C53#2.1 8.5,45.94 v1(8.89,46.33) 8.88,46.32 v1(6.06,46.32) ; 20.93,28.55 21.77,28.55 v1(22.51,29.3) ; v1(12.34,42.36) 12.34,43.71 C48.1 ; v1(20.12,27.69) 20.19,27.69 20.93,28.43
  Bottom w0.4: 20.98,28.46 20.98,28.46
  Bottom w0.5: C48.1 12.31,45.26 C38#2.1 11.24,46.33 v1(8.89,46.33)
